# Allegro board 038NC-GRIFFI-V9A_16_20260429.brd (continued)
## Routing (per net, layer and track width the routed paths; a pad name or vN(x,y) marks a point on that pad's centre or on a via; arc(x,y) is an arc through that point) (continued)
GX1X_641_3-65: length 98.8
  TOP w0.152: v1(215.36,265.38) 213.25,267.49 SITE13.F18 SITE13.S18
  L05_SIGNAL w0.076: v1(215.36,265.38) 216.3,264.44 216.3,263.91 215.79,263.4 214.65,263.4 212.05,265.99 212.05,269.85 208.22,273.69 208.22,274.9 205.81,277.32 205.81,292.58 203.47,294.92 203.47,297.76 v1(204.19,298.48)
  L24_SIGNAL w0.076: v1(204.19,298.48) 202.63,300.04 202.63,347.26
GX1X_642_3-66: length 96.9
  TOP w0.152: SITE13.S17 SITE13.F17 212.38,267.09 v1(215.36,264.11)
  L05_SIGNAL w0.076: v1(215.36,264.11) 212.89,266.57 212.89,270.03 209.57,273.35 209.57,275.11 208.36,276.31 208.36,292.82 206.77,294.41 205.72,294.41 v1(204.19,295.94)
  L26_SIGNAL w0.076: v1(204.19,295.94) 202.55,297.58 202.55,349.16
GX1X_643_3-67: length 97.9
  TOP w0.152: SITE13.S16 SITE13.F16 211.51,266.69 v1(215.36,262.84)
  L05_SIGNAL w0.076: v1(206.73,298.48) 205.53,297.28 205.53,295.35 205.96,294.92 207.33,294.92 209.26,292.99 209.26,276.73 211.22,274.78 211.22,272.62 213.81,270.03 213.81,266.93 214.77,265.96 215.97,265.96 216.75,265.18 216.75,263.53 216.07,262.84 v1(215.36,262.84)
  L07_SIGNAL w0.076: v1(206.73,298.48) 205.55,299.66 205.55,327.69 204.59,328.65 204.59,345.87
GX1X_644_3-68: length 16.8
  TOP w0.152: UNK13SH40.1 v1(194.38,332.59)
  L05_SIGNAL w0.076: v1(194.38,332.59) 194.38,348.23
GX1X_645_3-69: length 16.8
  TOP w0.152: UNK13SH41.1 v1(201.76,332.59)
  L05_SIGNAL w0.076: v1(201.76,332.59) 201.76,348.23
GX1X_649_3-73: length 37.1
  L07_SIGNAL w0.076: UNK15K4.4 241.39,327.99 239.97,329.41 239.97,345.77
GX1X_650_3-74: length 103.6
  TOP w0.152: v1(241.52,261.57) 239.78,263.31 SITE15.F13 SITE15.S13
  L05_SIGNAL w0.076: v1(241.52,261.57) 242.19,262.23 246.22,262.23 247.26,263.27 247.26,269.93 246.3,270.89 244.11,270.89 242.61,272.39 242.61,276.43 240.17,278.87 240.17,293.29 237.53,295.94 v1(236.73,295.94)
  L26_SIGNAL w0.076: v1(236.73,295.94) 235.17,297.5 235.17,348.65
GX1X_651_3-75: length 102.6
  TOP w0.152: SITE15.S12 SITE15.F12 239.38,262.44 v1(240.25,261.57)
  L05_SIGNAL w0.076: v1(239.27,298.48) 240.24,298.48 243.17,295.55 243.17,278.64 248.28,273.53 248.28,263.02 245.61,260.35 240.84,260.35 240.25,260.93 v1(240.25,261.57)
  L07_SIGNAL w0.076: v1(239.27,298.48) 238.45,299.31 238.45,328.12 237.28,329.29 237.28,345.85
GX1X_652_3-76: length 105.1
  TOP w0.152: v1(238.98,261.57) SITE15.F11 SITE15.S11
  L05_SIGNAL w0.076: v1(239.27,295.94) 240.09,295.94 242.66,293.37 242.66,278.41 247.9,273.18 247.9,263.27 245.41,260.78 241.22,260.78 240.91,261.09 240.91,261.95 240.5,262.36 239.78,262.36 v1(238.98,261.57)
  L30_SIGNAL w0.076: v1(239.27,295.94) 240.02,296.69 240.02,348.26
GX1X_653_3-77: length 103.4
  TOP w0.152: SITE15.S10 SITE15.F10 238.58,262.44 v1(237.71,261.57)
  L05_SIGNAL w0.076: v1(226.57,298.48) 225.54,297.46 225.54,295.3 227.6,293.24 227.6,284.78 232.71,279.68 232.71,274.85 229.84,271.98 229.84,263.04 232.83,260.05 236.39,260.05 237.71,261.37 v1(237.71,261.57)
  L24_SIGNAL w0.076: 225.21,346.77 225.21,299.84 v1(226.57,298.48)
GX1X_654_3-78: length 102.2
  TOP w0.152: SITE15.S9 SITE15.F9 238.18,263.31 v1(236.44,261.57)
  L05_SIGNAL w0.076: v1(236.44,261.57) 235.76,260.88 233.49,260.88 230.88,263.5 230.88,271.96 233.34,274.42 233.34,279.73 228.44,284.63 228.44,294.08 v1(226.57,295.94)
  L26_SIGNAL w0.076: v1(226.57,295.94) 225.16,297.35 225.16,349.29
GX1X_655_3-79: length 84
  L30_SIGNAL w0.076: 235.42,348.26 235.42,276.89 231.39,272.85 227.58,272.85 226.19,271.46 UNK15K3.4
GX1X_656_3-80: length 93.8
  TOP w0.152: SITE15.F6 235.36,266.69 v1(232.63,263.96)
  L05_SIGNAL w0.076: v1(229.11,298.48) 230.36,298.48 232.66,296.19 232.66,287.99 235.09,285.55 235.09,273.61 236.19,272.52 236.19,267.46 232.68,263.96 v1(232.63,263.96)
  L24_SIGNAL w0.076: 228.16,346.75 228.16,299.44 v1(229.11,298.48)
GX1X_657_3-81: length 94
  L05_SIGNAL w0.076: v3(237.36,266.69) 237.36,265.61 235.15,263.4 232.12,263.4 231.72,263.8 231.72,264.36 232.15,264.8 232.81,264.8 234.05,266.04 234.05,280.19 231.41,282.83 231.41,293.64 v1(229.11,295.94)
  L28_SIGNAL w0.076: 231.06,344.91 231.06,314.73 228.03,311.7 228.03,297.02 v1(229.11,295.94)
GX1X_658_3-82: length 3.9
  L03_SIGNAL w0.076: v1(233.37,340.62) 233.37,344.47
GX1X_659_3-83: length 3.9
  L03_SIGNAL w0.076: v1(235.91,340.62) 235.91,344.47
GX1X_660_3-84: length 100.8
  TOP w0.152: SITE15.S2 SITE15.F2 234.6,268.29 233.8,269.09 231.01,269.09 230.14,269.95 230.14,273.13 229.61,273.66 224.63,273.66 v1(223.84,274.45)
  L30_SIGNAL w0.076: v1(223.84,274.45) 225.77,274.45 226.64,273.58 231.18,273.58 232.3,274.7 232.3,348.26
GX1X_661_3-85: length 62
  L28_SIGNAL w0.076: UNK15TP_NPG/ATB1_G.1 225.14,289.47 225.14,310.01 218.76,316.4 218.76,321.35 223.14,325.73 223.14,345.08
GX1X_662_3-86: length 57.5
  L28_SIGNAL w0.076: 232.45,344.99 232.45,289.62 UNK15TP_NCHG/ATB0_G.1
GX1X_663_3-87: length 3.9
  L03_SIGNAL w0.076: v1(238.45,340.62) 238.45,344.47
GX1X_664_3-88: length 7.6
  L05_SIGNAL w0.076: v1(240.99,340.62) 240.99,348.23
GX1X_665_3-89: length 98.8
  TOP w0.152: SITE15.S18 SITE15.F18 243.25,267.49 v1(245.36,265.38)
  L05_SIGNAL w0.076: v1(245.36,265.38) 246.3,264.44 246.3,263.91 245.79,263.4 244.65,263.4 242.05,265.99 242.05,269.85 238.22,273.69 238.22,274.9 235.81,277.32 235.81,292.58 233.47,294.92 233.47,297.76 v1(234.19,298.48)
  L24_SIGNAL w0.076: v1(234.19,298.48) 232.63,300.04 232.63,347.26
GX1X_666_3-90: length 96.9
  TOP w0.152: v1(245.36,264.11) 242.38,267.09 SITE15.F17 SITE15.S17
  L05_SIGNAL w0.076: v1(234.19,295.94) 235.72,294.41 236.77,294.41 238.36,292.82 238.36,276.31 239.57,275.11 239.57,273.35 242.89,270.03 242.89,266.57 v1(245.36,264.11)
  L26_SIGNAL w0.076: 232.55,349.16 232.55,297.58 v1(234.19,295.94)
GX1X_667_3-91: length 97.9
  TOP w0.152: SITE15.S16 SITE15.F16 241.51,266.69 v1(245.36,262.84)
  L05_SIGNAL w0.076: v1(236.73,298.48) 235.53,297.28 235.53,295.35 235.96,294.92 237.33,294.92 239.26,292.99 239.26,276.73 241.22,274.78 241.22,272.62 243.81,270.03 243.81,266.93 244.77,265.96 245.97,265.96 246.75,265.18 246.75,263.53 246.07,262.84 v1(245.36,262.84)
  L07_SIGNAL w0.076: 234.59,345.87 234.59,328.65 235.55,327.69 235.55,299.66 v1(236.73,298.48)
GX1X_668_3-92: length 16.8
  TOP w0.152: UNK15SH40.1 v1(224.38,332.59)
  L05_SIGNAL w0.076: v1(224.38,332.59) 224.38,348.23
GX1X_669_3-93: length 16.8
  TOP w0.152: UNK15SH41.1 v1(231.76,332.59)
  L05_SIGNAL w0.076: v1(231.76,332.59) 231.76,348.23
GX1X_672_3-96: length 84
  L30_SIGNAL w0.076: 115.43,348.26 115.43,276.89 111.39,272.85 107.58,272.85 106.19,271.46 UNK7K3.4
GX1X_673_3-97: length 102.2
  TOP w0.152: SITE7.S9 SITE7.F9 118.18,263.31 v1(116.45,261.57)
  L05_SIGNAL w0.076: v1(106.57,295.94) 108.44,294.08 108.44,284.63 113.34,279.73 113.34,274.42 110.88,271.96 110.88,263.5 113.49,260.88 115.76,260.88 v1(116.45,261.57)
  L26_SIGNAL w0.076: v1(106.57,295.94) 105.16,297.35 105.16,349.29
GX1X_674_3-98: length 103.4
  TOP w0.152: v1(117.72,261.57) 118.58,262.44 SITE7.F10 SITE7.S10
  L05_SIGNAL w0.076: v1(106.57,298.48) 105.54,297.46 105.54,295.3 107.6,293.24 107.6,284.78 112.71,279.68 112.71,274.85 109.84,271.98 109.84,263.04 112.83,260.05 116.39,260.05 117.72,261.37 v1(117.72,261.57)
  L24_SIGNAL w0.076: 105.21,346.77 105.21,299.84 v1(106.57,298.48)
GX1X_675_3-99: length 105.1
  TOP w0.152: v1(118.99,261.57) SITE7.F11 SITE7.S11
  L05_SIGNAL w0.076: v1(118.99,261.57) 119.78,262.36 120.51,262.36 120.91,261.95 120.91,261.09 121.22,260.78 125.41,260.78 127.9,263.27 127.9,273.18 122.66,278.41 122.66,293.37 120.09,295.94 v1(119.27,295.94)
  L30_SIGNAL w0.076: v1(119.27,295.94) 120.02,296.69 120.02,348.26
GX1X_676_3-100: length 102.6
  TOP w0.152: SITE7.S12 SITE7.F12 119.39,262.44 v1(120.26,261.57)
  L05_SIGNAL w0.076: v1(119.27,298.48) 120.24,298.48 123.17,295.55 123.17,278.64 128.28,273.53 128.28,263.02 125.61,260.35 120.84,260.35 120.26,260.93 v1(120.26,261.57)
  L07_SIGNAL w0.076: v1(119.27,298.48) 118.45,299.31 118.45,328.12 117.28,329.29 117.28,345.85
GX1X_677_3-101: length 103.6
  TOP w0.152: SITE7.S13 SITE7.F13 119.79,263.31 v1(121.53,261.57)
  L05_SIGNAL w0.076: v1(116.73,295.94) 117.53,295.94 120.18,293.29 120.18,278.87 122.61,276.43 122.61,272.39 124.11,270.89 126.3,270.89 127.26,269.93 127.26,263.27 126.22,262.23 122.19,262.23 v1(121.53,261.57)
  L26_SIGNAL w0.076: v1(116.73,295.94) 115.17,297.5 115.17,348.65
GX1X_678_3-102: length 37.1
  L07_SIGNAL w0.076: UNK7K4.4 121.39,327.99 119.97,329.41 119.97,345.77
GX1X_682_3-106: length 16.8
  TOP w0.152: UNK5SH41.1 v1(81.77,332.59)
  L05_SIGNAL w0.076: v1(81.77,332.59) 81.77,348.23
GX1X_683_3-107: length 16.8
  TOP w0.152: UNK5SH40.1 v1(74.38,332.59)
  L05_SIGNAL w0.076: v1(74.38,332.59) 74.38,348.23
GX1X_684_3-108: length 97.9
  TOP w0.152: SITE5.S16 SITE5.F16 91.51,266.69 v1(95.36,262.84)
  L05_SIGNAL w0.076: v1(86.73,298.48) 85.53,297.28 85.53,295.35 85.96,294.92 87.33,294.92 89.26,292.99 89.26,276.73 91.22,274.78 91.22,272.62 93.81,270.03 93.81,266.93 94.77,265.96 95.97,265.96 96.75,265.18 96.75,263.53 96.07,262.84 v1(95.36,262.84)
  L07_SIGNAL w0.076: 84.59,345.87 84.59,328.65 85.55,327.69 85.55,299.66 v1(86.73,298.48)
GX1X_685_3-109: length 96.9
  TOP w0.152: v1(95.36,264.11) 92.38,267.09 SITE5.F17 SITE5.S17
  L05_SIGNAL w0.076: v1(95.36,264.11) 92.89,266.57 92.89,270.03 89.57,273.35 89.57,275.11 88.36,276.31 88.36,292.82 86.77,294.41 85.72,294.41 v1(84.19,295.94)
  L26_SIGNAL w0.076: 82.56,349.16 82.56,297.58 v1(84.19,295.94)
GX1X_686_3-110: length 98.8
  TOP w0.152: SITE5.S18 SITE5.F18 93.25,267.49 v1(95.36,265.38)
  L05_SIGNAL w0.076: v1(84.19,298.48) 83.47,297.76 83.47,294.92 85.81,292.58 85.81,277.32 88.22,274.9 88.22,273.69 92.05,269.85 92.05,265.99 94.65,263.4 95.79,263.4 96.3,263.91 96.3,264.44 v1(95.36,265.38)
  L24_SIGNAL w0.076: 82.63,347.26 82.63,300.04 v1(84.19,298.48)
GX1X_687_3-111: length 7.6
  L05_SIGNAL w0.076: v1(90.99,340.62) 90.99,348.23
GX1X_688_3-112: length 2.6
  L03_SIGNAL w0.076: v1(88.45,340.62) 88.45,343.23
GX1X_689_3-113: length 57.5
  L28_SIGNAL w0.076: UNK5TP_NCHG/ATB0_G.1 82.45,289.62 82.45,344.99
GX1X_690_3-114: length 56.9
  L28_SIGNAL w0.076: 75.14,344.46 75.14,289.47 UNK5TP_NPG/ATB1_G.1
GX1X_691_3-115: length 100.8
  TOP w0.152: SITE5.S2 SITE5.F2 84.6,268.29 83.8,269.09 81.01,269.09 80.14,269.95 80.14,273.13 79.61,273.66 74.63,273.66 v1(73.84,274.45)
  L30_SIGNAL w0.076: 82.3,348.26 82.3,274.7 81.18,273.58 76.64,273.58 75.77,274.45 v1(73.84,274.45)
GX1X_692_3-116: length 2.6
  L03_SIGNAL w0.076: v1(85.91,340.62) 85.91,343.23
GX1X_693_3-117: length 133.4
  L03_SIGNAL w0.076: v1(83.37,340.62) 37.16,386.82 37.16,430.68 44.73,438.25 45.34,438.25 48.26,435.33 48.64,435.33 50.29,436.98 51.18,436.98 53.88,434.29 SLOT3.F23
GX1X_694_3-118: length 93.8
  TOP w0.152: SITE5.F6 85.36,266.69 v1(82.63,263.96)
  L05_SIGNAL w0.076: v1(79.11,298.48) 80.36,298.48 82.66,296.19 82.66,287.99 85.1,285.55 85.1,273.61 86.19,272.52 86.19,267.46 82.68,263.96 v1(82.63,263.96)
  L24_SIGNAL w0.076: v1(79.11,298.48) 78.16,299.44 78.16,346.75
GX1X_695_3-119: length 92.7
  L05_SIGNAL w0.076: v3(87.36,266.69) 87.36,265.61 85.15,263.4 82.12,263.4 81.72,263.8 81.72,264.36 82.15,264.8 82.81,264.8 84.05,266.04 84.05,280.19 81.41,282.83 81.41,293.64 v1(79.11,295.94)
  L28_SIGNAL w0.076: v1(79.11,295.94) 78.03,297.02 78.03,344.87
GX1X_696_3-120: length 84
  L30_SIGNAL w0.076: 85.43,348.26 85.43,276.89 81.39,272.85 77.58,272.85 76.19,271.46 UNK5K3.4
GX1X_697_3-121: length 102.2
  TOP w0.152: v1(86.45,261.57) 88.18,263.31 SITE5.F9 SITE5.S9
  L05_SIGNAL w0.076: v1(76.57,295.94) 78.44,294.08 78.44,284.63 83.34,279.73 83.34,274.42 80.88,271.96 80.88,263.5 83.49,260.88 85.76,260.88 v1(86.45,261.57)
  L26_SIGNAL w0.076: 75.16,349.29 75.16,297.35 v1(76.57,295.94)
GX1X_698_3-122: length 103.4
  TOP w0.152: SITE5.S10 SITE5.F10 88.59,262.44 v1(87.72,261.57)
  L05_SIGNAL w0.076: v1(76.57,298.48) 75.54,297.46 75.54,295.3 77.6,293.24 77.6,284.78 82.71,279.68 82.71,274.85 79.84,271.98 79.84,263.04 82.83,260.05 86.39,260.05 87.72,261.37 v1(87.72,261.57)
  L24_SIGNAL w0.076: v1(76.57,298.48) 75.21,299.84 75.21,346.77
GX1X_699_3-123: length 105.1
  TOP w0.152: v1(88.99,261.57) SITE5.F11 SITE5.S11
  L05_SIGNAL w0.076: v1(88.99,261.57) 89.78,262.36 90.51,262.36 90.91,261.95 90.91,261.09 91.22,260.78 95.41,260.78 97.9,263.27 97.9,273.18 92.66,278.41 92.66,293.37 90.09,295.94 v1(89.27,295.94)
  L30_SIGNAL w0.076: 90.02,348.26 90.02,296.69 v1(89.27,295.94)
GX1X_700_3-124: length 102.6
  TOP w0.152: SITE5.S12 SITE5.F12 89.39,262.44 v1(90.26,261.57)
  L05_SIGNAL w0.076: v1(90.26,261.57) 90.26,260.93 90.84,260.35 95.61,260.35 98.28,263.02 98.28,273.53 93.17,278.64 93.17,295.55 90.24,298.48 v1(89.27,298.48)
  L07_SIGNAL w0.076: v1(89.27,298.48) 88.45,299.31 88.45,328.12 87.28,329.29 87.28,345.85
GX1X_701_3-125: length 103.6
  TOP w0.152: v1(91.53,261.57) 89.79,263.31 SITE5.F13 SITE5.S13
  L05_SIGNAL w0.076: v1(86.73,295.94) 87.53,295.94 90.18,293.29 90.18,278.87 92.61,276.43 92.61,272.39 94.11,270.89 96.3,270.89 97.26,269.93 97.26,263.27 96.22,262.23 92.19,262.23 v1(91.53,261.57)
  L26_SIGNAL w0.076: 85.17,348.65 85.17,297.5 v1(86.73,295.94)
GX1X_702_3-126: length 37.1
  L07_SIGNAL w0.076: UNK5K4.4 91.4,327.99 89.97,329.41 89.97,345.77
GX1X_706_3-130: length 16.8
  TOP w0.152: UNK7SH41.1 v1(111.77,332.59)
  L05_SIGNAL w0.076: v1(111.77,332.59) 111.77,348.23
GX1X_707_3-131: length 16.8
  TOP w0.152: UNK7SH40.1 v1(104.38,332.59)
  L05_SIGNAL w0.076: v1(104.38,332.59) 104.38,348.23
GX1X_708_3-132: length 97.9
  TOP w0.152: v1(125.36,262.84) 121.51,266.69 SITE7.F16 SITE7.S16
  L05_SIGNAL w0.076: v1(116.73,298.48) 115.53,297.28 115.53,295.35 115.96,294.92 117.33,294.92 119.26,292.99 119.26,276.73 121.22,274.78 121.22,272.62 123.81,270.03 123.81,266.93 124.77,265.96 125.97,265.96 126.75,265.18 126.75,263.53 126.07,262.84 v1(125.36,262.84)
  L07_SIGNAL w0.076: 114.59,345.87 114.59,328.65 115.55,327.69 115.55,299.66 v1(116.73,298.48)
GX1X_709_3-133: length 96.9
  TOP w0.152: v1(125.36,264.11) 122.38,267.09 SITE7.F17 SITE7.S17
  L05_SIGNAL w0.076: v1(125.36,264.11) 122.89,266.57 122.89,270.03 119.57,273.35 119.57,275.11 118.36,276.31 118.36,292.82 116.77,294.41 115.72,294.41 v1(114.19,295.94)
  L26_SIGNAL w0.076: v1(114.19,295.94) 112.56,297.58 112.56,349.16
GX1X_710_3-134: length 98.8
  TOP w0.152: v1(125.36,265.38) 123.25,267.49 SITE7.F18 SITE7.S18
  L05_SIGNAL w0.076: v1(125.36,265.38) 126.3,264.44 126.3,263.91 125.79,263.4 124.65,263.4 122.05,265.99 122.05,269.85 118.22,273.69 118.22,274.9 115.81,277.32 115.81,292.58 113.47,294.92 113.47,297.76 v1(114.19,298.48)
  L24_SIGNAL w0.076: v1(114.19,298.48) 112.63,300.04 112.63,347.26
GX1X_711_3-135: length 7.6
  L05_SIGNAL w0.076: v1(120.99,340.62) 120.99,348.23
GX1X_712_3-136: length 2.9
  L03_SIGNAL w0.076: v1(118.45,340.62) 118.45,343.55
GX1X_713_3-137: length 57.5
  L28_SIGNAL w0.076: UNK7TP_NCHG/ATB0_G.1 112.45,289.62 112.45,344.99
GX1X_714_3-138: length 56.9
  L28_SIGNAL w0.076: UNK7TP_NPG/ATB1_G.1 105.14,289.47 105.14,344.46
GX1X_715_3-139: length 100.8
  TOP w0.152: v1(103.84,274.45) 104.63,273.66 109.61,273.66 110.14,273.13 110.14,269.95 111.01,269.09 113.8,269.09 114.6,268.29 SITE7.F2 SITE7.S2
  L30_SIGNAL w0.076: 112.3,348.26 112.3,274.7 111.18,273.58 106.64,273.58 105.77,274.45 v1(103.84,274.45)
GX1X_716_3-140: length 2.9
  L03_SIGNAL w0.076: v1(115.91,340.62) 115.91,343.55
GX1X_717_3-141: length 2.9
  L03_SIGNAL w0.076: v1(113.37,340.62) 113.37,343.55
GX1X_718_3-142: length 93.8
  TOP w0.152: v1(112.63,263.96) 115.36,266.69 SITE7.F6
  L05_SIGNAL w0.076: v1(109.11,298.48) 110.36,298.48 112.66,296.19 112.66,287.99 115.1,285.55 115.1,273.61 116.19,272.52 116.19,267.46 112.68,263.96 v1(112.63,263.96)
  L24_SIGNAL w0.076: v1(109.11,298.48) 108.16,299.44 108.16,346.75
GX1X_719_3-143: length 92.7
  L05_SIGNAL w0.076: v1(109.11,295.94) 111.41,293.64 111.41,282.83 114.05,280.19 114.05,266.04 112.81,264.8 112.15,264.8 111.72,264.36 111.72,263.8 112.12,263.4 115.15,263.4 117.36,265.61 v3(117.36,266.69)
  L28_SIGNAL w0.076: 108.03,344.87 108.03,297.02 v1(109.11,295.94)
GX1X_722_3-146: length 16.8
  TOP w0.152: UNK3SH41.1 v1(51.77,332.59)
  L05_SIGNAL w0.076: v1(51.77,332.59) 51.77,348.23
GX1X_723_3-147: length 16.8
  TOP w0.152: UNK3SH40.1 v1(44.38,332.59)
  L05_SIGNAL w0.076: v1(44.38,332.59) 44.38,348.23
GX1X_724_3-148: length 97.9
  TOP w0.152: SITE3.S16 SITE3.F16 61.51,266.69 v1(65.36,262.84)
  L05_SIGNAL w0.076: v1(65.36,262.84) 66.07,262.84 66.75,263.53 66.75,265.18 65.97,265.96 64.77,265.96 63.81,266.93 63.81,270.03 61.22,272.62 61.22,274.78 59.26,276.73 59.26,292.99 57.33,294.92 55.96,294.92 55.53,295.35 55.53,297.28 v1(56.73,298.48)
  L07_SIGNAL w0.076: v1(56.73,298.48) 55.55,299.66 55.55,327.69 54.59,328.65 54.59,345.87
GX1X_725_3-149: length 96.9
  TOP w0.152: SITE3.S17 SITE3.F17 62.38,267.09 v1(65.36,264.11)
  L05_SIGNAL w0.076: v1(54.19,295.94) 55.72,294.41 56.77,294.41 58.36,292.82 58.36,276.31 59.57,275.11 59.57,273.35 62.89,270.03 62.89,266.57 v1(65.36,264.11)
  L26_SIGNAL w0.076: 52.56,349.16 52.56,297.58 v1(54.19,295.94)
GX1X_726_3-150: length 98.8
  TOP w0.152: v1(65.36,265.38) 63.25,267.49 SITE3.F18 SITE3.S18
  L05_SIGNAL w0.076: v1(65.36,265.38) 66.3,264.44 66.3,263.91 65.79,263.4 64.65,263.4 62.05,265.99 62.05,269.85 58.22,273.69 58.22,274.9 55.81,277.32 55.81,292.58 53.47,294.92 53.47,297.76 v1(54.19,298.48)
  L24_SIGNAL w0.076: v1(54.19,298.48) 52.63,300.04 52.63,347.26
GX1X_727_3-151: length 7.6
  L05_SIGNAL w0.076: v1(60.99,340.62) 60.99,348.23
GX1X_728_3-152: length 118.8
  L03_SIGNAL w0.076: v1(58.45,340.62) 58.45,362.13 36.07,384.51 36.07,433.53 44.81,442.26 45.11,442.26 45.87,441.5 46.46,441.5 47.24,442.29 SLOT3.C15
GX1X_729_3-153: length 57.5
  L28_SIGNAL w0.076: UNK3TP_NCHG/ATB0_G.1 52.45,289.62 52.45,344.99
GX1X_730_3-154: length 61.5
  L28_SIGNAL w0.076: UNK3TP_NPG/ATB1_G.1 45.14,289.47 45.14,310.31 38.96,316.48 38.96,322.12 42.62,325.78 42.62,344.98
GX1X_731_3-155: length 100.8
  TOP w0.152: SITE3.S2 SITE3.F2 54.6,268.29 53.8,269.09 51.01,269.09 50.14,269.95 50.14,273.13 49.61,273.66 44.63,273.66 v1(43.84,274.45)
  L30_SIGNAL w0.076: 52.3,348.26 52.3,274.7 51.18,273.58 46.64,273.58 45.77,274.45 v1(43.84,274.45)
GX1X_732_3-156: length 113.3
  L03_SIGNAL w0.076: SLOT3.Z15 34.75,435.37 34.75,383.16 55.91,362 v1(55.91,340.62)
GX1X_733_3-157: length 115.4
  L03_SIGNAL w0.076: SLOT3.Z13 33.32,435.95 33.32,381.91 53.37,361.87 v1(53.37,340.62)
GX1X_734_3-158: length 93.8
  TOP w0.152: SITE3.F6 55.36,266.69 v1(52.63,263.96)
  L05_SIGNAL w0.076: v1(52.63,263.96) 52.68,263.96 56.19,267.46 56.19,272.52 55.1,273.61 55.1,285.55 52.66,287.99 52.66,296.19 50.36,298.48 v1(49.11,298.48)
  L24_SIGNAL w0.076: v1(49.11,298.48) 48.16,299.44 48.16,346.75
GX1X_735_3-159: length 93.6
  L05_SIGNAL w0.076: v1(49.11,295.94) 51.41,293.64 51.41,282.83 54.05,280.19 54.05,266.04 52.81,264.8 52.15,264.8 51.72,264.36 51.72,263.8 52.12,263.4 55.15,263.4 57.36,265.61 v3(57.36,266.69)
  L28_SIGNAL w0.076: 50.85,344.6 50.85,316.38 48.03,313.57 48.03,297.02 v1(49.11,295.94)
GX1X_736_3-160: length 84
  L30_SIGNAL w0.076: 55.43,348.26 55.43,276.89 51.39,272.85 47.58,272.85 46.19,271.46 UNK3K3.4
GX1X_737_3-161: length 102.2
  TOP w0.152: SITE3.S9 SITE3.F9 58.19,263.31 v1(56.45,261.57)
  L05_SIGNAL w0.076: v1(46.57,295.94) 48.44,294.08 48.44,284.63 53.34,279.73 53.34,274.42 50.88,271.96 50.88,263.5 53.49,260.88 55.76,260.88 v1(56.45,261.57)
  L26_SIGNAL w0.076: 45.16,349.29 45.16,297.35 v1(46.57,295.94)
GX1X_738_3-162: length 103.4
  TOP w0.152: v1(57.72,261.57) 58.59,262.44 SITE3.F10 SITE3.S10
  L05_SIGNAL w0.076: v1(57.72,261.57) 57.72,261.37 56.39,260.05 52.83,260.05 49.84,263.04 49.84,271.98 52.71,274.85 52.71,279.68 47.6,284.78 47.6,293.24 45.54,295.3 45.54,297.46 v1(46.57,298.48)
  L24_SIGNAL w0.076: v1(46.57,298.48) 45.21,299.84 45.21,346.77
GX1X_739_3-163: length 105.1
  TOP w0.152: SITE3.S11 SITE3.F11 v1(58.99,261.57)
  L05_SIGNAL w0.076: v1(58.99,261.57) 59.78,262.36 60.51,262.36 60.91,261.95 60.91,261.09 61.22,260.78 65.41,260.78 67.9,263.27 67.9,273.18 62.66,278.41 62.66,293.37 60.09,295.94 v1(59.27,295.94)
  L30_SIGNAL w0.076: v1(59.27,295.94) 60.02,296.69 60.02,348.26
GX1X_740_3-164: length 102.6
  TOP w0.152: v1(60.26,261.57) 59.39,262.44 SITE3.F12 SITE3.S12
  L05_SIGNAL w0.076: v1(59.27,298.48) 60.24,298.48 63.17,295.55 63.17,278.64 68.28,273.53 68.28,263.02 65.61,260.35 60.84,260.35 60.26,260.93 v1(60.26,261.57)
  L07_SIGNAL w0.076: v1(59.27,298.48) 58.45,299.31 58.45,328.12 57.28,329.29 57.28,345.85
GX1X_741_3-165: length 103.6
  TOP w0.152: v1(61.53,261.57) 59.79,263.31 SITE3.F13 SITE3.S13
  L05_SIGNAL w0.076: v1(56.73,295.94) 57.53,295.94 60.18,293.29 60.18,278.87 62.61,276.43 62.61,272.39 64.11,270.89 66.3,270.89 67.26,269.93 67.26,263.27 66.22,262.23 62.19,262.23 v1(61.53,261.57)
  L26_SIGNAL w0.076: v1(56.73,295.94) 55.17,297.5 55.17,348.65
GX1X_742_3-166: length 37.1
  L07_SIGNAL w0.076: UNK3K4.4 61.4,327.99 59.97,329.41 59.97,345.77
GX1X_746_3-170: length 16.8
  TOP w0.152: UNK1SH41.1 v1(21.77,332.59)
  L05_SIGNAL w0.076: v1(21.77,332.59) 21.77,348.23
GX1X_747_3-171: length 16.8
  TOP w0.152: UNK1SH40.1 v1(14.38,332.59)
  L05_SIGNAL w0.076: v1(14.38,332.59) 14.38,348.23
GX1X_748_3-172: length 97.9
  TOP w0.152: v1(35.36,262.84) 31.51,266.69 SITE1.F16 SITE1.S16
  L05_SIGNAL w0.076: v1(26.73,298.48) 25.53,297.28 25.53,295.35 25.96,294.92 27.33,294.92 29.26,292.99 29.26,276.73 31.22,274.78 31.22,272.62 33.81,270.03 33.81,266.93 34.77,265.96 35.97,265.96 36.75,265.18 36.75,263.53 36.07,262.84 v1(35.36,262.84)
  L07_SIGNAL w0.076: 24.59,345.87 24.59,328.65 25.55,327.69 25.55,299.66 v1(26.73,298.48)
GX1X_749_3-173: length 96.9
  TOP w0.152: v1(35.36,264.11) 32.38,267.09 SITE1.F17 SITE1.S17
  L05_SIGNAL w0.076: v1(35.36,264.11) 32.89,266.57 32.89,270.03 29.57,273.35 29.57,275.11 28.36,276.31 28.36,292.82 26.77,294.41 25.72,294.41 v1(24.19,295.94)
  L26_SIGNAL w0.076: 22.56,349.16 22.56,297.58 v1(24.19,295.94)
GX1X_750_3-174: length 98.8
  TOP w0.152: v1(35.36,265.38) 33.25,267.49 SITE1.F18 SITE1.S18
  L05_SIGNAL w0.076: v1(24.19,298.48) 23.47,297.76 23.47,294.92 25.81,292.58 25.81,277.32 28.22,274.9 28.22,273.69 32.05,269.85 32.05,265.99 34.65,263.4 35.79,263.4 36.3,263.91 36.3,264.44 v1(35.36,265.38)
  L24_SIGNAL w0.076: v1(24.19,298.48) 22.63,300.04 22.63,347.26
GX1X_751_3-175: length 7.6
  L05_SIGNAL w0.076: v1(30.99,340.62) 30.99,348.23
GX1X_752_3-176: length 130.7
  L03_SIGNAL w0.076: SLOT3.E9 51.82,448.29 50.93,447.4 50.44,447.4 48.9,448.95 47.98,448.95 46.57,447.54 45.71,447.54 42.24,451 40.74,451 31.62,441.88 31.62,356.54 28.45,353.36 v1(28.45,340.62)
GX1X_753_3-177: length 57.5
  L28_SIGNAL w0.076: UNK1TP_NCHG/ATB0_G.1 22.45,289.62 22.45,344.99
GX1X_754_3-178: length 56.9
  L28_SIGNAL w0.076: 15.14,344.46 15.14,289.47 UNK1TP_NPG/ATB1_G.1
GX1X_755_3-179: length 100.8
  TOP w0.152: v1(13.84,274.45) 14.63,273.66 19.61,273.66 20.14,273.13 20.14,269.95 21.01,269.09 23.8,269.09 24.6,268.29 SITE1.F2 SITE1.S2
  L30_SIGNAL w0.076: v1(13.84,274.45) 15.77,274.45 16.64,273.58 21.18,273.58 22.3,274.7 22.3,348.26
GX1X_756_3-180: length 128.5
  L03_SIGNAL w0.076: v1(25.91,340.62) 25.91,353.21 30.2,357.5 30.2,443.15 40.21,453.16 42.06,453.16 44.91,450.32 45.19,450.32 45.95,451.08 46.43,451.08 47.22,450.29 SLOT3.C7
GX1X_757_3-181: length 134.2
  L03_SIGNAL w0.076: SLOT3.D7 50.42,450.53 50.42,451.54 49.94,452.02 49.28,452.02 48.69,451.43 48.08,451.43 45.44,454.08 44.81,454.08 44.22,453.49 43.61,453.49 42.88,454.23 40.28,454.23 28.42,442.37 28.42,358.04 23.37,352.98 v1(23.37,340.62)
GX1X_758_3-182: length 93.8
  TOP w0.152: SITE1.F6 25.36,266.69 v1(22.63,263.96)
  L05_SIGNAL w0.076: v1(19.11,298.48) 20.36,298.48 22.66,296.19 22.66,287.99 25.1,285.55 25.1,273.61 26.19,272.52 26.19,267.46 22.68,263.96 v1(22.63,263.96)
  L24_SIGNAL w0.076: 18.16,346.75 18.16,299.44 v1(19.11,298.48)
GX1X_759_3-183: length 92.7
  L05_SIGNAL w0.076: v3(27.36,266.69) 27.36,265.61 25.15,263.4 22.12,263.4 21.72,263.8 21.72,264.36 22.15,264.8 22.81,264.8 24.05,266.04 24.05,280.19 21.41,282.83 21.41,293.64 v1(19.11,295.94)
  L28_SIGNAL w0.076: v1(19.11,295.94) 18.03,297.02 18.03,344.87
GX1X_760_3-184: length 84
  L30_SIGNAL w0.076: UNK1K3.4 16.19,271.46 17.58,272.85 21.39,272.85 25.43,276.89 25.43,348.26
GX1X_761_3-185: length 102.2
  TOP w0.152: v1(26.45,261.57) 28.19,263.31 SITE1.F9 SITE1.S9
  L05_SIGNAL w0.076: v1(16.57,295.94) 18.44,294.08 18.44,284.63 23.34,279.73 23.34,274.42 20.88,271.96 20.88,263.5 23.5,260.88 25.76,260.88 v1(26.45,261.57)
  L26_SIGNAL w0.076: v1(16.57,295.94) 15.16,297.35 15.16,349.29
GX1X_762_3-186: length 103.4
  TOP w0.152: v1(27.72,261.57) 28.59,262.44 SITE1.F10 SITE1.S10
  L05_SIGNAL w0.076: v1(27.72,261.57) 27.72,261.37 26.39,260.05 22.83,260.05 19.84,263.04 19.84,271.98 22.71,274.85 22.71,279.68 17.6,284.78 17.6,293.24 15.54,295.3 15.54,297.46 v1(16.57,298.48)
  L24_SIGNAL w0.076: v1(16.57,298.48) 15.21,299.84 15.21,346.77
GX1X_763_3-187: length 105.1